# Altium PCB Board.PcbDoc (part 5 of 8)
Units mil, origin at the board's own origin, x right, y up, seen from the top; angles counter-clockwise.
Board outline 2740.16 x 1181.1 mil, 6 copper layers (Top Layer, Int1 (GND), Int2 (Sign), Int3 (Sign), Int4 (PWR), Bottom Layer), stack 60.567 mil thick; 167 components, 261 nets, 1353 pads, 681 vias.
Unrouted connection lines stored in the file: 23.
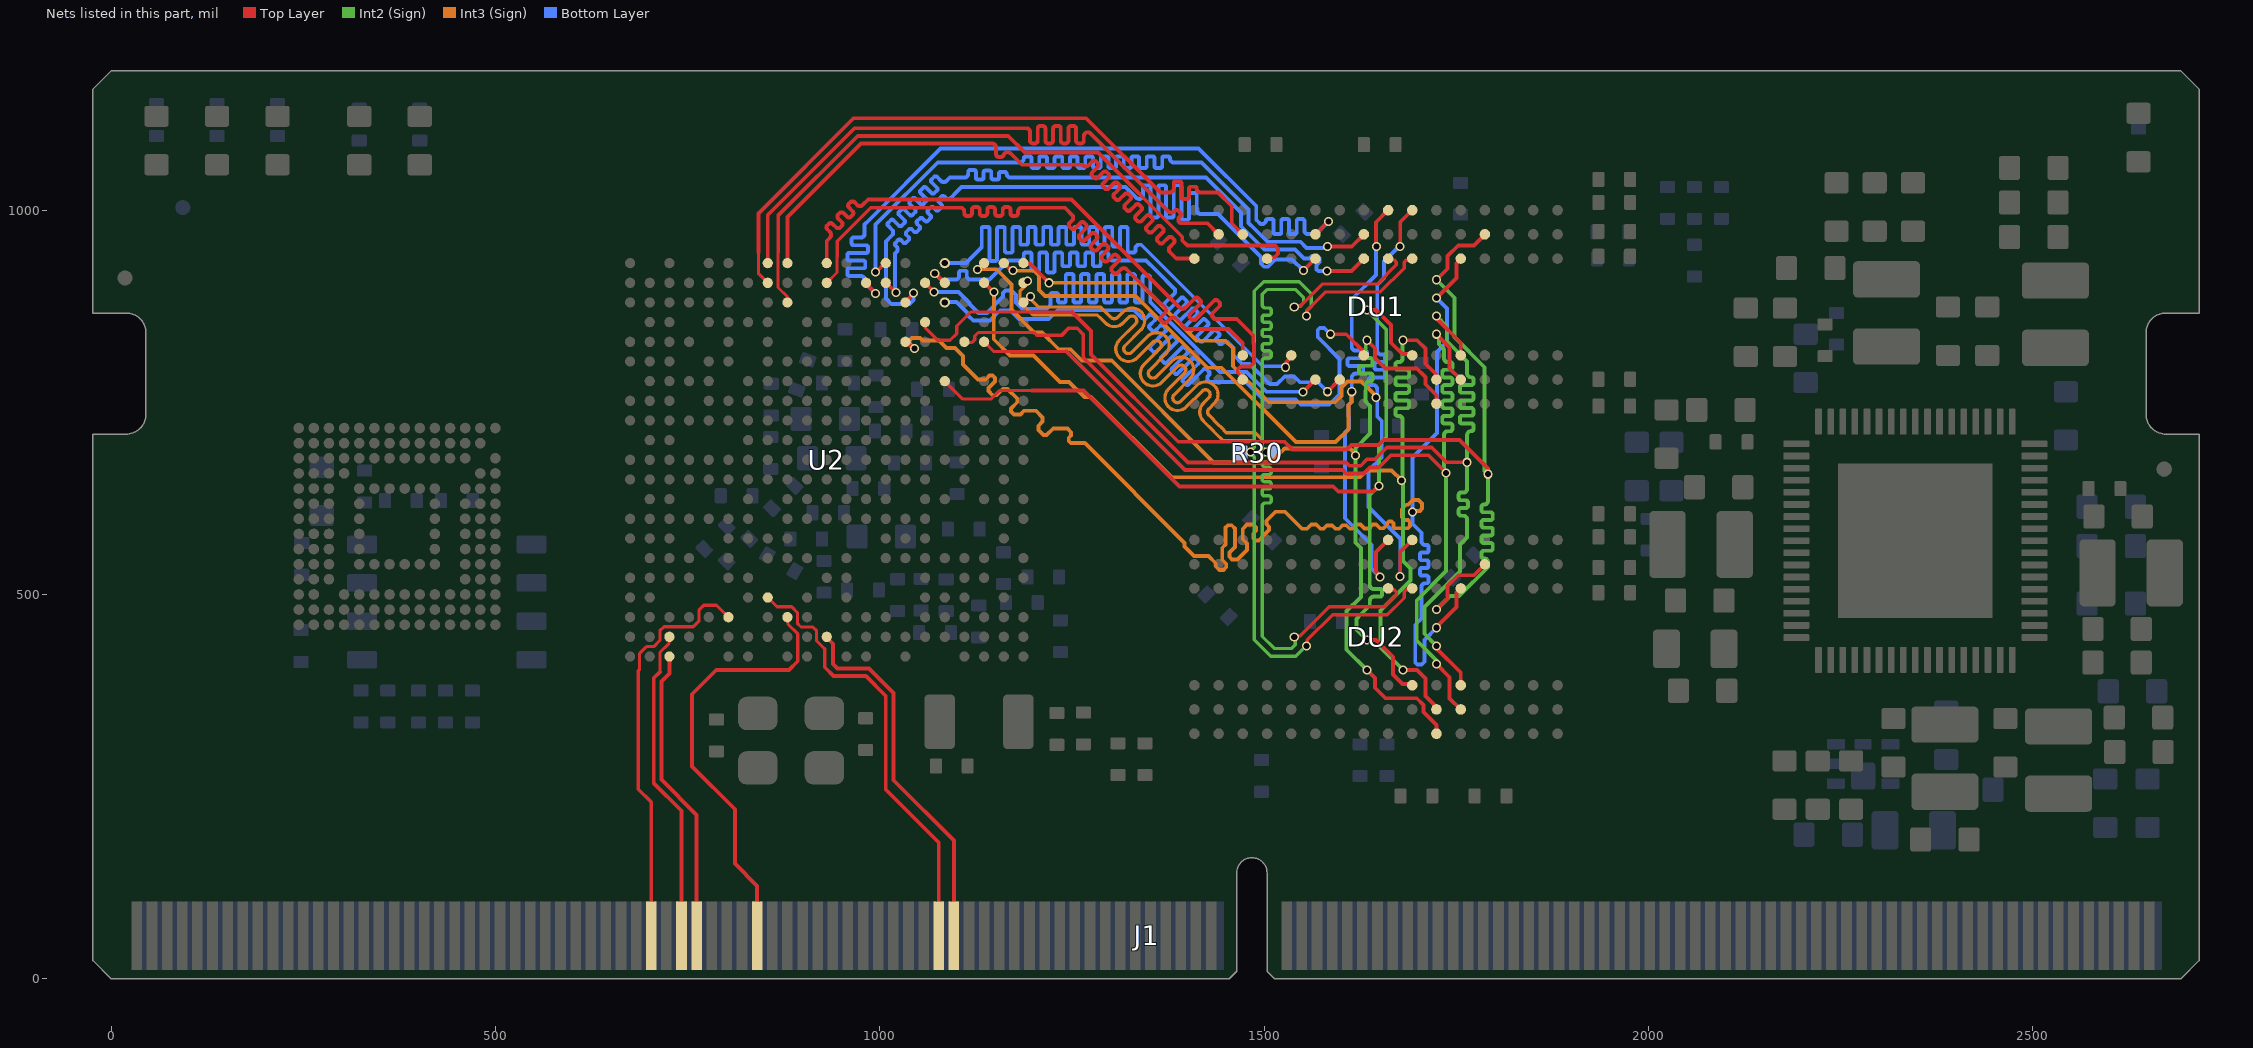
[diagram p9: the nets of this part, all layers, seen from the top]

## Via types
v1: diameter 11.81, hole 7.87, Top Layer to Bottom Layer, tented both sides, 510 vias
v2: diameter 17.72, hole 7.87, Top Layer to Bottom Layer, tented both sides, 112 vias
v3: diameter 15.75, hole 7.87, Top Layer to Bottom Layer, tented both sides, 43 vias
v4: diameter 31.5, hole 11.81, Top Layer to Bottom Layer, 16 vias

## Nets (pads, with @x,y where several pads share a name; then routed paths per layer and width w, separated by ;. In a path a pad name is that pad's centre, name@x,y a point inside that pad or via, vN(x,y) a via of type N, cw(c..) or ccw(c..) an arc to the next point about the centre after c; other vN are vias at no path point) (continued)
SA15: DU1.M7 DU2.M7 U2.R17 | length 1985.5
  Top Layer w5: U2.R17@1033.46,828.74 1034.56,828.74 1042.11,821.19 1044.13,821.19 v1(1045.44,819.89) ; v1@1724.41,457.51 1750.37,483.48 1750.37,502.34 DU2.M7@1755.91,507.87 ; v1(1724.41,885.83) 1750.37,911.79 1750.37,930.66 1755.91,936.19 DU1.M7@1755.91,937.01
  Int3 (Sign) w5: v1(1045.44,819.89) 1038.88,826.44 1038.88,830.59 1041.81,833.51 1052.49,833.51 1055.78,830.23 1077.28,830.23 1086.74,820.77 1098.16,820.77 1108.58,810.35 1108.58,799.24 1128.02,779.79 1138,779.79 1142.93,784.72 1147.07,784.72 1150,781.79 1150,777.24 1141.45,768.69 1141.45,764.55 1146.81,759.19 1151.81,759.19 1160.1,767.49 1166.31,767.49 1178.99,754.81 1178.99,750.08 1170.78,741.87 1170.78,738.03 1174.53,734.27 1183.27,734.27 1188.11,739.11 1202.96,739.11 1212,730.07 1212,725 1206.51,719.51 1206.51,713.93 1213.12,707.32 1217.23,707.32 1225.78,715.87 1244.13,715.87 1248.93,711.07 1248.93,706.93 1245.93,703.93 1245.93,699.79 1248.86,696.86 1266.86,696.86 1396.72,567.01 1396.72,562.28 1409,550 1427.88,550 1437.25,540.64 1437.25,536.64 1442.04,531.84 1447.16,531.84 1450.93,535.61 1450.93,539.62 1445.6,544.95 1445.6,560.76 1450,565.16 1450,587.07 1452.93,590 1458,590 1462.27,585.73 1462.27,561.68 1455.03,554.44 1455.03,548.97 1458.4,545.6 1465.57,545.6 1477.67,557.69 1477.67,566.33 1472.39,571.61 1472.39,585.39 1478,591 1486,591 1489.93,587.07 1489.93,582.93 1486,579 1486,573.26 1488.93,570.33 1493.07,570.33 1506.7,583.96 1506.7,588.1 1503.08,591.71 1503.08,595.92 1514.86,607.69 1527.31,607.69 1549.48,585.52 1556,585.52 1561.48,591 1568,591 1573.48,585.52 1577.52,585.52 1581.71,589.71 1588.8,589.71 1592.99,585.52 1597.82,585.52 1602.3,590 1607,590 1611.48,585.52 1615.05,585.52 1620.53,591 1625.66,591 1630.66,586 1636.46,586 1641.46,591 1646,591 1650.93,586.07 1655.57,586.07 1660.27,590.77 1660.27,592.86 1662.34,594.93 1666.15,594.93 1668.57,592.5 1668.57,587.43 1669.91,586.09 1687.25,586.09 1690,588.84 1690,594 1687.17,596.83 1683.17,596.83 1679.25,600.75 1679.25,610.75 1685.14,616.64 1687.49,616.64 1693.75,622.9 1700.97,622.9 1705.71,618.16 1705.71,611.78 1702.73,608.8 1694.4,608.8 v1(1693.1,607.5)
  Bottom Layer w5: v1(1724.41,456.69) 1708.66,440.94 1708.66,412.39 1704.92,408.65 1699.78,408.65 1696.85,411.57 1696.85,460.63 1704.72,468.5 1704.72,500.6 1704.72,509.51 cw(c1709.72,509.51) 1709.72,514.51 1711.43,514.51 ccw(c1711.43,517.01) 1713.93,517.01 1713.93,522.01 ccw(c1711.43,522.01) 1711.43,524.51 1705.41,524.51 cw(c1705.41,527.01) 1702.91,527.01 1702.91,532.01 cw(c1705.41,532.01) 1705.41,534.51 1711.43,534.51 ccw(c1711.43,537.01) 1713.93,537.01 1713.93,542.01 ccw(c1711.43,542.01) 1711.43,544.51 1705.41,544.51 cw(c1705.41,547.01) 1702.91,547.01 1702.91,552.01 cw(c1705.41,552.01) 1705.41,554.51 1711.43,554.51 ccw(c1711.43,557.01) 1713.93,557.01 1713.93,562.01 ccw(c1711.43,562.01) 1711.43,564.51 1709.72,564.51 cw(c1709.72,569.51) 1704.72,569.51 1704.72,572.01 1704.72,580.33 1693.1,591.96 v1(1693.1,607.5) 1693.1,678.1 1725,710 1725,815.68 1738.12,828.8 1738.12,872.12 v1(1724.41,885.83)
SBA0: DU1.M2 DU2.M2 U2.W17 | length 1394.8
  Top Layer w4: U2.W17@1135.83,828.74 1148.65,815.91 1242.94,815.91
  Top Layer w5: 1242.94,815.91 1397.02,661.84 1602.57,661.84 1606.88,657.53 1629.97,657.53 1637.55,665.11 1649.37,665.11 1665.35,681.1 1714.14,681.1 v1(1736.97,658.27) ; v1(1724.41,409.45) 1741.52,392.34 1741.52,364.78 DU2.M2@1755.91,350.39 ; v1(1724.41,838.58) 1741.52,821.48 1741.52,793.92 DU1.M2@1755.91,779.53
  Int2 (Sign) w5: v1(1724.41,409.45) 1724.41,414.11 1698.66,439.86 1698.66,492.16 1736.97,530.47 1736.97,655.85 v1@1737.81,656.7 ; v1(1724.41,838.58) 1727.81,835.18 1727.81,825.47 1734.16,819.13 1734.16,809.84 1734.16,807.34 ccw(c1739.16,807.34) 1739.16,802.34 1742.06,802.34 cw(c1742.06,799.34) 1745.06,799.34 1745.06,795.34 cw(c1742.06,795.34) 1742.06,792.34 1734.9,792.34 ccw(c1734.9,789.34) 1731.9,789.34 1731.9,785.34 ccw(c1734.9,785.34) 1734.9,782.34 1742.06,782.34 cw(c1742.06,779.34) 1745.06,779.34 1745.06,775.34 cw(c1742.06,775.34) 1742.06,772.34 1734.9,772.34 ccw(c1734.9,769.34) 1731.9,769.34 1731.9,765.34 ccw(c1734.9,765.34) 1734.9,762.34 1742.06,762.34 cw(c1742.06,759.34) 1745.06,759.34 1745.06,755.34 cw(c1742.06,755.34) 1742.06,752.34 1734.9,752.34 ccw(c1734.9,749.34) 1731.9,749.34 1731.9,745.34 ccw(c1734.9,745.34) 1734.9,742.34 1742.06,742.34 cw(c1742.06,739.34) 1745.06,739.34 1745.06,735.34 cw(c1742.06,735.34) 1742.06,732.34 1734.9,732.34 ccw(c1734.9,729.34) 1731.9,729.34 1731.9,725.34 ccw(c1734.9,725.34) 1734.9,722.34 1742.06,722.34 cw(c1742.06,719.34) 1745.06,719.34 1745.06,715.34 cw(c1742.06,715.34) 1742.06,712.34 1739.16,712.34 ccw(c1739.16,707.34) 1734.16,707.34 1734.16,694.67 1734.16,661.08 v1(1736.97,658.27)
SBA1: DU1.N8 DU2.N8 U2.T18 | length 1655.2
  Top Layer w4: U2.T18@1059.06,854.33 1059.06,847.14 1075.49,830.71 1091.56,830.71 1100.24,839.39 1100.24,849.34 1118.15,867.25 1196.36,867.25
  Top Layer w4.99: 1196.38,867.27 1250.11,867.27
  Top Layer w5: 1250.11,867.27 1274.8,842.58 1274.8,812.26 1388.42,698.65 1526.86,698.65 1537.1,688.42 1607.52,688.42 1613.44,694.34 1648.87,694.34 1655.63,701.1 1754.14,701.1 1791.34,663.9 v1(1791.34,656.45) ; v1(1724.41,480.31) 1738.8,494.7 1738.8,511.12 1752.66,524.98 1773.01,524.98 DU2.N8@1787.4,539.37 ; v1(1724.41,909.45) 1738.8,923.84 1738.8,940.25 1752.66,954.12 1773.01,954.12 DU1.N8@1787.4,968.5
  Int2 (Sign) w5: v1(1724.41,480.31) 1741.97,497.87 1753.78,497.87 1791.34,535.43 1791.34,539.38 1791.34,541.88 ccw(c1786.34,541.88) 1786.34,546.88 1786.02,546.88 cw(c1786.02,549.88) 1783.02,549.88 1783.02,553.88 cw(c1786.02,553.88) 1786.02,556.88 1794.7,556.88 ccw(c1794.7,559.88) 1797.7,559.88 1797.7,563.88 ccw(c1794.7,563.88) 1794.7,566.88 1786.02,566.88 cw(c1786.02,569.88) 1783.02,569.88 1783.02,573.88 cw(c1786.02,573.88) 1786.02,576.88 1794.7,576.88 ccw(c1794.7,579.88) 1797.7,579.88 1797.7,583.88 ccw(c1794.7,583.88) 1794.7,586.88 1786.02,586.88 cw(c1786.02,589.88) 1783.02,589.88 1783.02,593.88 cw(c1786.02,593.88) 1786.02,596.88 1794.7,596.88 ccw(c1794.7,599.88) 1797.7,599.88 1797.7,603.88 ccw(c1794.7,603.88) 1794.7,606.88 1786.02,606.88 cw(c1786.02,609.88) 1783.02,609.88 1783.02,613.88 cw(c1786.02,613.88) 1786.02,616.88 1786.34,616.88 ccw(c1786.34,621.88) 1791.34,621.88 1791.34,633.29 v1(1791.34,656.45) ; v1(1724.41,909.45) 1747.81,886.04 1747.81,834.86 1787.08,795.59 1787.08,660.78 v1@1791.34,656.52
SBA2: DU1.M3 DU2.M3 U2.V17 | length 1512.7
  Top Layer w4: U2.V17@1111.01,827.96 1120.34,827.96 1123.63,831.25 1123.63,836.24 1128.33,840.93 1200.87,840.93 1204.66,837.15
  Top Layer w5: U2.V17@1110.24,828.74 U2.V17@1111.01,827.96 ; 1204.66,837.15 1236.7,837.15 1245.84,846.29 1256.95,846.29 1264.8,838.44 1264.8,808.12 1401.09,671.84 1606.71,671.84 1611.02,667.53 1625.83,667.53 1634.19,675.89 1644.56,675.89 1659.77,691.1 1718.28,691.1 1737.42,671.97 v1(1764.32,671.97) ; v1@1724.41,429.86 1755.91,398.36 DU2.M3@1755.91,381.89 ; v1(1724.41,862.2) 1724.41,858.99 1755.91,827.5 DU1.M3@1755.91,811.02
  Int2 (Sign) w5: v1(1724.41,433.07) 1708.66,448.82 1708.66,483.52 1755,529.86 1755,565 1764.15,574.15 1764.15,595 1764.15,597.5 ccw(c1759.15,597.5) 1759.15,602.5 1756.24,602.5 cw(c1756.24,605.5) 1753.24,605.5 1753.24,609.5 cw(c1756.24,609.5) 1756.24,612.5 1762.34,612.5 ccw(c1762.34,615.5) 1765.34,615.5 1765.34,619.5 ccw(c1762.34,619.5) 1762.34,622.5 1756.24,622.5 cw(c1756.24,625.5) 1753.24,625.5 1753.24,629.5 cw(c1756.24,629.5) 1756.24,632.5 1759.15,632.5 ccw(c1759.15,637.5) 1764.15,637.5 1764.15,655 1764.15,671.79 v1(1764.32,671.97) ; v1(1724.41,862.2) 1737.81,848.8 1737.81,829.61 1764.32,803.11 1764.32,790 1764.32,787.5 ccw(c1769.32,787.5) 1769.32,782.5 1769.87,782.5 cw(c1769.87,780) 1772.37,780 1772.37,775 cw(c1769.87,775) 1769.87,772.5 1757.43,772.5 ccw(c1757.43,770) 1754.93,770 1754.93,765 ccw(c1757.43,765) 1757.43,762.5 1769.87,762.5 cw(c1769.87,760) 1772.37,760 1772.37,755 cw(c1769.87,755) 1769.87,752.5 1757.43,752.5 ccw(c1757.43,750) 1754.93,750 1754.93,745 ccw(c1757.43,745) 1757.43,742.5 1769.87,742.5 cw(c1769.87,740) 1772.37,740 1772.37,735 cw(c1769.87,735) 1769.87,732.5 1757.43,732.5 ccw(c1757.43,730) 1754.93,730 1754.93,725 ccw(c1757.43,725) 1757.43,722.5 1769.87,722.5 cw(c1769.87,720) 1772.37,720 1772.37,715 cw(c1769.87,715) 1769.87,712.5 1769.32,712.5 ccw(c1769.32,707.5) 1764.32,707.5 1764.32,694.55 1764.32,674.41 v1@1765.54,673.19
SCAS: DU1.K3 DU2.K3 U2.U15 | length 1314.4
  Top Layer w4: U2.U15@1084.65,777.56 1108.17,754.03 1144.53,754.03 1155.63,765.13 1198,765.13
  Top Layer w4.99: 1198,765.37 1265.13,765.37
  Top Layer w5: 1265.13,765.37 1389.99,640.51 1590.01,640.51 1596.66,633.86 1642.05,633.86 v1(1649.46,641.26) ; v1(1633.86,440.94) 1645.67,440.95 1667.7,418.92 1667.7,396.02 1675.55,388.17 1680.15,383.57 DU2.K3@1691.23,383.57 ; v1(1633.86,870.08) 1645.67,870.08 1665.35,850.39 1665.35,827.5 1680.15,812.7 1691.23,812.7 DU1.K3@1692.91,811.02
  Int2 (Sign) w5: v1(1633.86,440.94) 1620.24,454.56 1620.24,468.3 1626.59,474.66 1637.63,485.7 1637.63,492.16 cw(c1642.63,492.16) 1642.63,497.16 1651.03,497.16 ccw(c1651.03,499.66) 1653.53,499.66 1653.53,504.66 ccw(c1651.03,504.66) 1651.03,507.16 1642.63,507.16 cw(c1642.63,512.16) 1637.63,512.16 1637.63,520.35 1637.63,629.14 1649.61,641.11 v1(1649.46,641.26) ; v1(1633.86,870.08) 1659.07,844.86 1659.07,704.07 1649.61,694.61 v1@1649.61,641.73
SCK_N: DU1.K7 DU2.K7 R30.2 U2.AA20 | length 1742
  Top Layer w4.29: U2.AA20@1187.01,905.51 1187.78,906.28 1188.89,906.28 1190.33,907.72 v1(1192.37,907.72) ; v1(1555.12,433.07) 1556.3,434.25 1556.3,440.76 1589.21,473.68 1660.6,473.68 1682.3,495.38 1682.3,503.19 1685.17,506.06 1691.1,506.06 DU2.K7@1692.91,507.87 ; v1(1555.12,862.2) 1556.3,863.38 1556.3,869.9 1580.02,893.62 1651.4,893.62 1682.3,924.52 1682.3,932.33 1685.17,935.19 1691.1,935.19 DU1.K7@1692.91,937.01
  Int2 (Sign) w4.29: v1@1555.09,433.07 1541.45,419.43 1508.94,419.43 1487.33,441.04 1487.33,678.97 1482.52,683.79 v1(1482.52,685.24) 1482.52,686.7 1487.33,691.52 1487.33,894.82 1499.5,906.99 1545.77,906.99 1561.64,891.12 1561.64,875.23 1556.3,869.89 1556.3,863.39 v1(1555.12,862.2)
  Int3 (Sign) w4.29: v1(1192.37,907.72) 1192.37,905.2 1182.59,895.42 1182.59,880.4 1199.39,863.6 1283.28,863.6 1288.4,858.48 1292.05,854.84 1293.52,853.36 ; 1293.52,853.36 ccw(c1305.16,864.94) 1316.77,853.33 1323.95,860.51 cw(c1328.3,856.16) 1332.64,860.51 cw(c1328.3,856.16) 1332.66,851.84 1311.99,831.17 ccw(c1323.6,819.56) 1311.99,807.95 ccw(c1323.6,819.56) 1335.21,807.95 ; 1335.24,807.97 1355.86,828.6 cw(c1360.21,824.25) 1364.55,828.6 cw(c1360.21,824.25) 1364.57,819.93 1343.9,799.26 ccw(c1355.51,787.65) 1343.9,776.04 ccw(c1355.51,787.65) 1367.13,776.04 1387.77,796.68 cw(c1392.12,792.34) 1396.45,796.7 ; 1396.48,796.67 cw(c1392.12,792.34) 1396.49,788.01 1375.82,767.34 ccw(c1387.43,755.73) 1375.82,744.12 ccw(c1387.43,755.73) 1399.04,744.12 1419.43,764.52 cw(c1423.78,760.17) 1428.12,764.52 cw(c1423.78,760.17) 1428.12,755.83 1421.2,748.91 ccw(c1432.81,737.29) 1421.2,725.68 1433.17,713.72 1436.81,710.07 1446.77,700.12 1484.31,700.12 1487.34,697.08 1487.34,691.52 1482.52,686.7 v1(1482.52,685.24)
SCK_P: DU1.J7 DU2.J7 R30.1 U2.AA19 | length 1768.1
  Top Layer w4.29: U2.AA19@1187.01,879.92 1187.85,879.92 1195.36,887.43 v1(1196.2,887.43) ; v1(1539.37,444.88) 1540.55,446.06 1547.06,446.06 1584.96,483.95 1656.35,483.95 1672.03,499.64 1672.03,503.19 1669.16,506.06 1663.23,506.06 DU2.J7@1661.42,507.87 ; v1(1539.37,874.02) 1540.55,875.2 1547.06,875.2 1575.76,903.89 1647.15,903.89 1672.03,928.77 1672.03,932.33 1669.16,935.19 1663.23,935.19 DU1.J7@1661.42,937.01
  Int2 (Sign) w4.29: v1(1539.37,444.88) 1539.37,442.84 1540.8,441.41 1540.8,434.5 1536.03,429.72 1513.2,429.72 1497.62,445.3 1497.62,603.22 1497.62,614.65 cw(c1501.91,614.65) 1501.91,618.94 1506.53,618.94 ccw(c1506.53,621.73) 1509.32,621.73 1509.32,625.45 ccw(c1506.53,625.45) 1506.53,628.23 1500.41,628.23 cw(c1500.41,631.02) 1497.62,631.02 1497.62,634.74 cw(c1500.41,634.74) 1500.41,637.52 1506.53,637.52 ccw(c1506.53,640.31) 1509.32,640.31 1509.32,644.03 ccw(c1506.53,644.03) 1506.53,646.81 1500.41,646.81 cw(c1500.41,649.6) 1497.62,649.6 1497.62,653.32 cw(c1500.41,653.32) 1500.41,656.1 1506.53,656.1 ccw(c1506.53,658.89) 1509.32,658.89 1509.32,662.61 ccw(c1506.53,662.61) 1506.53,665.39 1501.91,665.39 cw(c1501.91,669.68) 1497.62,669.68 1497.62,678.97 1499.57,680.92 1502.44,683.79 v1(1502.44,685.24) 1502.44,686.7 1497.62,691.52 1497.62,791.96 1497.62,803.4 cw(c1501.91,803.4) 1501.91,807.69 1506.47,807.69 ccw(c1506.47,810.47) 1509.26,810.47 1509.26,814.19 ccw(c1506.47,814.19) 1506.47,816.98 1500.41,816.98 cw(c1500.41,819.76) 1497.62,819.76 1497.62,823.48 cw(c1500.41,823.48) 1500.41,826.27 1506.47,826.27 ccw(c1506.47,829.05) 1509.26,829.05 1509.26,832.77 ccw(c1506.47,832.77) 1506.47,835.56 1500.41,835.56 cw(c1500.41,838.34) 1497.62,838.34 1497.62,842.06 cw(c1500.41,842.06) 1500.41,844.85 1506.47,844.85 ccw(c1506.47,847.63) 1509.26,847.63 1509.26,851.35 ccw(c1506.47,851.35) 1506.47,854.14 1500.41,854.14 cw(c1500.41,856.92) 1497.62,856.92 1497.62,860.64 cw(c1500.41,860.64) 1500.41,863.43 1506.47,863.43 ccw(c1506.47,866.21) 1509.26,866.21 1509.26,869.93 ccw(c1506.47,869.93) 1506.47,872.72 1501.91,872.72 cw(c1501.91,877.01) 1497.62,877.01 1497.62,890.56 1501.05,893.98 1503.76,896.7 1541.5,896.7 1551.35,886.86 1551.35,879.49 1547.06,875.2 1540.55,875.2 v1(1539.37,874.02)
  Int3 (Sign) w4.29: v1@1197.16,883.5 1206.78,873.88 1287.54,873.88 1295.67,865.75 1299.31,862.1 1300.82,860.6 ccw(c1305.16,864.94) 1309.51,860.6 1316.68,867.77 cw(c1328.3,856.16) 1339.91,867.78 cw(c1328.3,856.16) 1339.91,844.55 1319.26,823.9 ccw(c1323.6,819.56) 1319.26,815.21 ccw(c1323.6,819.56) 1327.93,815.19 1348.6,835.86 cw(c1360.21,824.25) 1371.82,835.86 cw(c1360.21,824.25) 1371.82,812.64 1351.17,791.99 ccw(c1355.51,787.65) 1351.17,783.3 ccw(c1355.51,787.65) 1359.84,783.28 1380.51,803.95 cw(c1392.12,792.34) 1402,805.46 1402.23,805.46 1405.24,802.45 1405.24,802.22 cw(c1392.12,792.34) 1403.73,780.73 ; 1403.71,780.7 1383.08,760.08 ccw(c1387.43,755.73) 1383.08,751.39 ccw(c1387.43,755.73) 1391.75,751.37 1412.17,771.78 cw(c1423.78,760.17) 1435.39,771.78 cw(c1423.78,760.17) 1435.39,748.56 1428.47,741.64 ccw(c1432.81,737.29) 1428.47,732.95 1440.43,720.98 1444.08,717.34 1451.02,710.39 1488.56,710.39 1497.62,701.34 1497.62,691.52 1502.44,686.7 v1(1502.44,685.24)
SCKE0: DU1.K9 DU2.K9 U2.AA21 | length 1208.1
  Top Layer w5: U2.AA21@1187.01,931.1 1188.11,931.1 1189.43,929.78 1196.2,929.78 v1(1220.47,905.51) ; v1(1677.17,523.62) 1677.17,555.12 DU2.K9@1692.91,570.87 ; v1(1677.17,952.76) 1677.17,984.25 DU1.K9@1692.91,1000
  Int3 (Sign) w5: v1(1220.47,905.51) 1337.3,905.51 1412.81,830 1450,830 1459.5,820.5 1459.5,796.97 1506.41,750.06 1592.58,750.06 1600.77,758.25 1600.77,769.33 1608.62,777.18 1626.65,777.18 1645.67,758.16 v1(1645.67,756.32)
  Bottom Layer w5: v1(1645.67,756.32) 1647.39,754.6 1647.39,731.6 1653.13,725.86 1653.13,678.13 1636.05,661.05 1636.05,613.95 1677.17,572.83 v1(1677.17,523.62) ; v1@1646.06,756 1647.26,757.2 1647.26,764.85 1647.26,767.35 ccw(c1642.26,767.35) 1642.26,772.35 1639.22,772.35 cw(c1639.22,774.85) 1636.72,774.85 1636.72,779.85 cw(c1639.22,779.85) 1639.22,782.35 1654.85,782.35 ccw(c1654.85,784.85) 1657.35,784.85 1657.35,789.85 ccw(c1654.85,789.85) 1654.85,792.35 1646.45,792.35 cw(c1646.45,794.85) 1643.95,794.85 1643.95,799.85 cw(c1646.45,799.85) 1646.45,802.35 1654.85,802.35 ccw(c1654.85,804.85) 1657.35,804.85 1657.35,809.85 ccw(c1654.85,809.85) 1654.85,812.35 1652.26,812.35 cw(c1652.26,817.35) 1647.26,817.35 1647.26,833.82 1647.26,902.63 1656.25,911.62 1656.25,933.53 1675.48,952.76 v1(1677.17,952.76)
SCKE1: DU1.J9 DU2.J9 U2.Y21 | length 1260.8
  Top Layer w5: U2.Y21@1161.42,931.1 1161.42,930.96 1171.12,921.26 v1(1173.23,921.26) ; v1(1646.6,952.76) 1645.67,953.69 1645.67,984.25 DU1.J9@1661.42,1000 ; v1(1651.04,522.58) 1651.04,524.43 1645.67,529.8 1645.67,555.12 DU2.J9@1661.42,570.87
  Int3 (Sign) w5: v1(1173.23,921.26) 1200.79,921.26 1207.07,914.98 1207.07,896.02 1214.92,888.17 1333.15,888.17 1426.32,795 1444.66,795 1541.44,698.22 1593.22,698.22 1609.84,714.84 1609.84,746.38 1613.84,750.37 1613.84,763.45 v1(1614.17,763.78)
  Bottom Layer w5: v1@1614.17,763.79 1614.17,769.78 1614.17,782.28 cw(c1619.17,782.28) 1619.17,787.28 1626.12,787.28 ccw(c1626.12,790.28) 1629.12,790.28 1629.12,794.28 ccw(c1626.12,794.28) 1626.12,797.28 1611.43,797.28 cw(c1611.43,800.28) 1608.43,800.28 1608.43,804.28 cw(c1611.43,804.28) 1611.43,807.28 1631.08,807.28 ccw(c1631.08,810.28) 1634.08,810.28 1634.08,814.28 ccw(c1631.08,814.28) 1631.08,817.28 1619.17,817.28 cw(c1619.17,822.28) 1614.17,822.28 1614.17,849.77 1614.17,884.17 1645.67,915.67 1645.67,951.82 v1(1646.6,952.76) ; v1(1614.17,763.78) 1613.78,763.39 1613.78,750.37 1609.84,746.44 1609.84,732.34 1610.75,731.44 1610.75,715.75 1605.59,710.59 1605.59,599.14 1640,564.72 1640,533.62 v1(1651.04,522.58)
SCS0: DU1.L2 DU2.L2 U2.W20 | length 1419.5
  Top Layer w5: U2.W20@1135.83,905.51 1136.31,905.51 1148.23,893.58 v1(1148.72,893.58) ; v1(1681.1,401.57) 1699.18,401.58 1701,399.75 1710.02,390.74 1710.02,367.78 1724.41,353.39 DU2.L2@1724.41,350.39 ; v1(1681.1,830.71) 1699.18,830.71 1710.02,819.87 1710.02,800.19 1724.41,785.8 DU1.L2@1724.41,779.53
  Int2 (Sign) w5: v1(1678.79,648.49) 1680.75,646.53 1680.75,543.66 1690.57,533.84 1690.57,518.07 1651.69,479.19 1651.69,430.98 v1(1681.1,401.57) ; v1@1680.3,648.8 1680.3,724.78 1680.3,727.28 ccw(c1675.3,727.28) 1675.3,732.28 1673.92,732.28 cw(c1673.92,735.28) 1670.92,735.28 1670.92,739.28 cw(c1673.92,739.28) 1673.92,742.28 1685.89,742.28 ccw(c1685.89,745.28) 1688.89,745.28 1688.89,749.28 ccw(c1685.89,749.28) 1685.89,752.28 1673.92,752.28 cw(c1673.92,755.28) 1670.92,755.28 1670.92,759.28 cw(c1673.92,759.28) 1673.92,762.28 1685.89,762.28 ccw(c1685.89,765.28) 1688.89,765.28 1688.89,769.28 ccw(c1685.89,769.28) 1685.89,772.28 1673.92,772.28 cw(c1673.92,775.28) 1670.92,775.28 1670.92,779.28 cw(c1673.92,779.28) 1673.92,782.28 1685.89,782.28 ccw(c1685.89,785.28) 1688.89,785.28 1688.89,789.28 ccw(c1685.89,789.28) 1685.89,792.28 1673.92,792.28 cw(c1673.92,795.28) 1670.92,795.28 1670.92,799.28 cw(c1673.92,799.28) 1673.92,802.28 1675.3,802.28 ccw(c1675.3,807.28) 1680.3,807.28 1680.3,821.04 1680.3,829.91 v1(1681.1,830.71)
  Int3 (Sign) w5: v1(1148.72,893.58) 1148.72,860.48 1148.28,860.04 1148.28,832.03 1169.29,811.02 1199.98,811.02 1234.5,776.5 1246.5,776.5 1266.23,756.77 1275.23,756.77 1379.41,652.59 1625.03,652.59 1633.86,661.42 1666.08,661.42 1678.79,648.71 v1(1678.79,648.49)
SCS1: DU1.L1 DU2.L1 U2.W21 | length 1428.4
  Top Layer w5: v1@1127.8,922.46 1135.83,930.49 U2.W21@1135.83,931.1 ; v1(1633.86,401.57) 1644.31,391.12 1644.31,378.65 1658.03,364.92 1698.74,364.92 1707.5,356.16 1707.5,346.96 1724.41,330.04 DU2.L1@1724.41,318.9 ; v1(1633.86,830.71) 1644.31,820.26 1644.31,807.78 1658.03,794.06 1698.74,794.06 1710.02,782.77 1710.02,773.57 1724.41,759.18 DU1.L1@1724.41,748.03
  Int2 (Sign) w5: v1@1632.31,829.11 1632.31,825.23 1632.3,822.73 1632.3,812.5 ccw(c1637.3,812.5) 1637.3,807.5 1638.54,807.5 cw(c1638.54,805) 1641.04,805 1641.04,800 cw(c1638.54,800) 1638.54,797.5 1626.02,797.5 ccw(c1626.02,795) 1623.52,795 1623.52,790 ccw(c1626.02,790) 1626.02,787.5 1638.54,787.5 cw(c1638.54,785) 1641.04,785 1641.04,780 cw(c1638.54,780) 1638.54,777.5 1637.27,777.5 ccw(c1637.27,772.5) 1632.27,772.5 1632.27,760 1632.26,757.5 1632.26,750.77 1638.06,744.97 1638.06,709.32 1618.99,690.25 v1(1618.99,680.94) 1618.99,567.48 1625.98,560.49 1625.98,496.84 1607.45,478.31 1607.45,427.98 v1(1633.86,401.57)
  Int3 (Sign) w5: v1(1127.19,923.06) 1151.74,923.06 1171.34,903.46 1171.34,870.54 1200.88,841 1211,841 1233,819 1248.28,819 1262.88,804.4 1301.9,804.4 1434.46,671.84 1509,671.84 1526.88,689.72 1612.05,689.72 1618.99,682.78 v1(1618.99,680.94)
SDC1_CLK: J1.83 U2.J3 | length 566.4
  Top Layer w4: U2.J3@880.7,469.7 880.7,461.35 893.32,448.73 893.32,414.24 ; 893.33,413.01 893.33,414.23
  Top Layer w5: J1.83@840.55,55.98 840.55,120.8 811.5,149.86 811.5,220.52 755.91,276.11 755.91,370.23 787.25,401.57 881.89,401.57 893.33,413.01
SDC1_CMD: J1.109 U2.L2 | length 481.4
  Top Layer w5: U2.L2@931.1,444.88 931.1,443.94 939.13,435.9 939.13,409.65 945.09,403.7 986.06,403.7 1017.87,371.89 1017.87,258.28 1096.46,179.7 J1.109@1096.46,55.98